# Allegro board DPU_PoE_A1_SizeReduce.brd (continued)
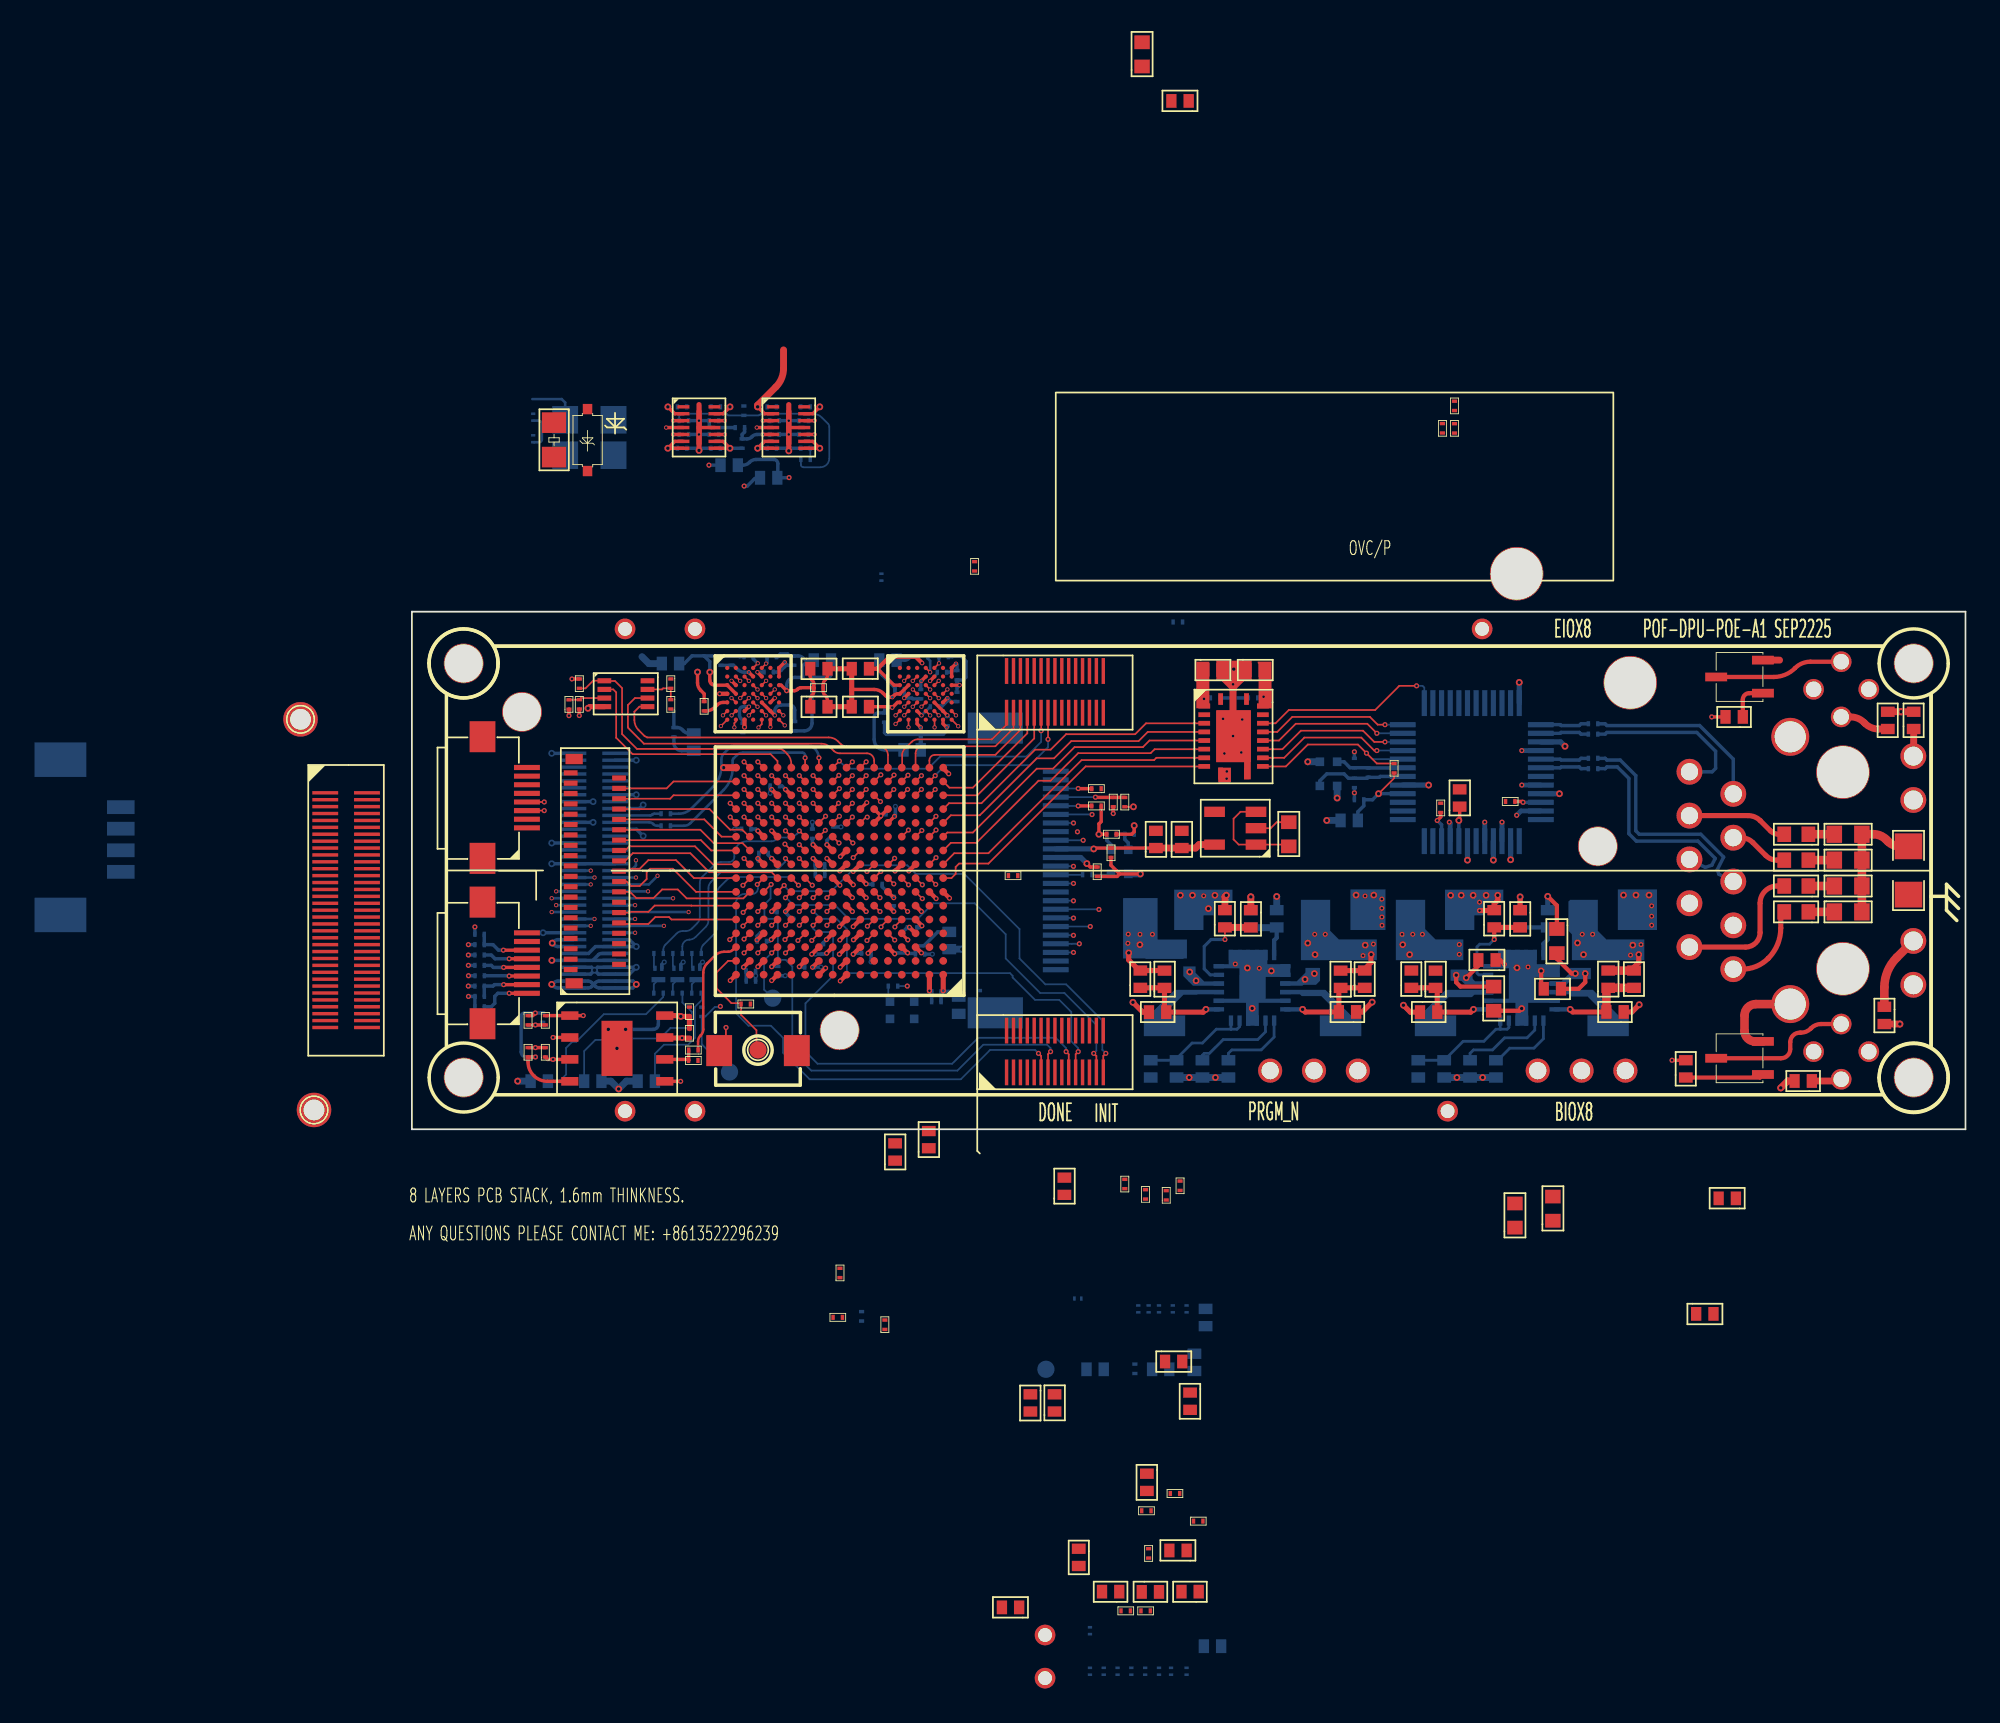
[diagram p0: board, top side]
## Routing (per net, layer and track width the routed paths; a pad name or vN(x,y) marks a point on that pad's centre or on a via; arc(x,y) is an arc through that point) (continued)
  BOTTOM w0.15: v2(12.98,15.59) 12.98,15.29 12.68,14.99 J7.36
IR_PWR_EN: length 1
  TOP w0.2: U5.5 v2(15.13,40.27)
  BOTTOM w0.2: R73.2 v2(15.13,40.27)
IR_UART_RX: length 11
  TOP w0.102: v1(22.78,21.53) U7.T11
  BOTTOM w0.15: 22.78,21.49 v1(22.78,21.53) 22.78,21.67 arc(22.73,21.78) 22.62,21.83 19.18,21.83 arc(18.99,21.79) 18.82,21.68 18.62,21.48 arc(18.59,21.44) 18.58,21.38 18.58,20.93 arc(18.44,20.25) 18.06,19.67 16.13,17.74 arc(15.96,17.63) 15.77,17.59 R69.1
IR_UART_TX: length 11.9
  TOP w0.102: v1(23.58,21.53) U7.T10
  BOTTOM w0.15: R68.1 15.47,18.29 arc(15.86,18.37) 16.19,18.59 17.44,19.84 arc(17.8,20.38) 17.93,21.02 17.93,21.43 arc(17.97,21.62) 18.08,21.79 18.38,22.09 arc(18.6,22.24) 18.86,22.29 22.78,22.29 arc(23.35,22.06) 23.58,21.49
IR_VSYNC: length 15.1
  TOP w0.102: U7.N16 v1(18.44,18.9)
  SIG-3 w0.102: v1(18.44,18.9) 15.43,18.9 arc(15.29,18.92) 15.16,19.01 14.83,19.34 arc(14.72,19.51) 14.68,19.7 14.68,19.99 arc(14.61,20.17) 14.43,20.24 11.65,20.24 arc(11.53,20.19) 11.48,20.07 11.48,18.3 arc(11.44,18.11) 11.33,17.94 11.28,17.89 arc(11.17,17.72) 11.13,17.53 11.13,15.49 arc(10.98,15.14) 10.63,14.99 v2(10.36,14.99)
  BOTTOM w0.15: J7.35 v2(10.36,14.99)
JTAG_EN: length 32.5
  TOP w0.102: U7.D10 v1(23.16,10.94)
  TOP w0.2: J5.6 v1(5.3,10.38)
  SIG-3 w0.102: v1(23.16,10.94) 23.16,8.36 21.6,6.8
  SIG-6 w0.102: v1(23.16,10.94) 23.16,10.94 22.8,11.3 22.8,14.3 21.9,15.2 12.4,15.2 11,13.8 10.2,13.8 8.9,12.5 8.9,11.5 8.7,11.3 7.1,11.3 6.18,10.38 v1(5.3,10.38)
  BOTTOM w0.2: R90.2 R89.2 4.7,10.7 5.02,10.38 v1(5.3,10.38)
LD_3V3: length 1.1
  TOP w0.2: v3(23.63,41.87) 23.23,41.47 U6.13
LD_3V3_EN: length 1
  TOP w0.2: U6.3 v2(20.33,41.07)
  BOTTOM w0.2: R70.2 v2(20.33,41.07)
MCLK: length 7.2
  TOP w0.15: R54.1 16.58,5.09 arc(16.62,5.27) 16.72,5.43 16.74,5.45 arc(16.84,5.61) 16.88,5.79 16.88,9.08 arc(16.94,9.37) 17.1,9.61 17.56,10.07 arc(17.8,10.23) 18.09,10.29 18.33,10.29 arc(18.47,10.32) 18.58,10.39 18.71,10.52 18.78,10.52
MCSN: length 14.3
  TOP w0.102: v1(19.24,10.22) U7.C15
  TOP w0.2: v1(9.93,6.59) U9.1 R51.1
  SIG-6 w0.102: v1(9.93,6.59) 10.11,6.77 arc(10.14,6.79) 10.18,6.8 13.18,6.8 arc(13.56,6.88) 13.88,7.09 15.93,9.14 arc(16.04,9.31) 16.08,9.5 16.08,10.19 arc(16.2,10.47) 16.48,10.59 18.87,10.59 v1(19.24,10.22)
MD0: length 12.1
  TOP w0.102: v1(20.04,10.22) U7.C14
  TOP w0.2: U9.5 v1(15.57,2.78)
  SIG-6 w0.102: v1(15.57,2.78) 16.04,2.78 arc(16.08,2.79) 16.11,2.81 17.15,3.85 arc(17.17,3.88) 17.18,3.92 17.18,7.89 arc(17.39,8.39) 17.89,8.6 19.6,8.6 20.04,9.04 v1(20.04,10.22)
MD1: length 15
  TOP w0.102: v1(18.41,10.99) U7.D16
  TOP w0.2: U9.2 v1(8.18,5.32)
  SIG-6 w0.102: v1(8.18,5.32) 8.12,5.38 8.12,5.52 9.8,7.2 12.91,7.2 arc(13.35,7.29) 13.73,7.54 14.18,7.99 arc(14.29,8.16) 14.33,8.35 14.33,8.67 arc(14.34,8.71) 14.36,8.74 14.95,9.33 arc(15.11,9.56) 15.16,9.84 15.16,10.48 arc(15.17,10.52) 15.19,10.55 15.45,10.81 arc(15.61,10.92) 15.81,10.95 18.38,10.95 v1(18.41,10.99)
MD2: length 19.1
  TOP w0.102: v1(19.24,11.02) U7.D15
  TOP w0.2: R55.1 7.87,4.05 v1(8.18,4.05) U9.3
  SIG-6 w0.102: v1(19.24,11.02) 18.67,11.59 18,11.59 17.71,11.3 15.3,11.3 13.73,9.73 13.73,8.25 arc(13.54,7.79) 13.08,7.6 9.4,7.6 7.72,5.92 7.72,4.72 arc(7.76,4.53) 7.87,4.36 v1(8.18,4.05)
MD3: length 12.7
  TOP w0.102: v1(21.61,10.99) U7.D12
  TOP w0.3: U9.7 14.68,5.29 v1(15.65,5.29) R52.1
  SIG-6 w0.102: v1(15.65,5.29) 15.03,5.91 arc(14.92,6.08) 14.88,6.27 14.88,6.88 arc(14.92,7.07) 15.03,7.24 17.43,9.64 arc(17.6,9.75) 17.79,9.79 19.48,9.79 arc(19.59,9.83) 19.63,9.94 19.63,10.39 arc(19.69,10.54) 19.84,10.6 21.22,10.6 v1(21.61,10.99)
Net_91: length 0.5
  TOP w0.102: v1(30.36,17.34) 29.98,16.96
PROGRAM_N: length 34.5
  TOP w0.102: SW1.2 17.8,5.01 18.19,5.41 18.19,5.89 v1(18.2,5.9) ; U7.C12 v1(21.64,10.22)
  TOP w0.2: J5.2 v1(5.32,8.38)
  SIG-6 w0.102: v1(18.2,5.9) 18.7,6.4 18.7,7.1 19.6,8 21.1,8 21.15,8.05 21.15,8.65 21.64,9.14 v1(21.64,10.22) 21.64,10.24 22,10.6 22,11.3 21.9,11.4 20.6,11.4 20.4,11.6 20.4,12.1 20.3,12.2 19.8,12.2 19.6,12.4 19.6,12.9 19.4,13.1 17.5,13.1 16.5,12.1 15.7,12.1 15.5,12.3 14.1,12.3 13.6,11.8 12.3,11.8 11.9,11.4 11.9,9.7 10.8,8.6 9.31,8.6 8.61,7.9 6.8,7.9 6.32,8.38 v1(5.32,8.38)
  BOTTOM w0.2: v1(5.32,8.38) 4.78,8.38 4.7,8.3 C58.2 4.19,7.71 R50.1
PWR_EN1: length 1.1
  BOTTOM w0.2: R92.1 20.02,37.76 arc(19.92,37.74) 19.83,37.68 19.43,37.28 v1(19.25,37.28)
PWR_EN2: length 0.7
  BOTTOM w0.2: R91.1 v1(17.21,38.49)
RN: length 13.6
  BOTTOM w0.2: U13.6 75.71,14.78 75.62,15.05 75.99,15.78 74.67,17.1 71.1,17.1 70.9,17.3 70.9,20.5 70,21.4 69.23,21.4 69.13,21.5 R25.1
RP: length 12.8
  BOTTOM w0.2: R27.1 69.13,20.9 69.23,21 69.83,21 70.5,20.33 70.5,17.13 70.93,16.7 74.5,16.7 75.5,15.7 75.31,15.31 74.92,15.18 U13.5
SPI_CS: length 16.4
  TOP w0.102: 21.98,20.92 U7.T12 21.98,21.18 arc(21.92,21.49) 21.74,21.75 21.58,21.92 arc(21.44,22.01) 21.27,22.05 13.04,22.05 12.18,22.91 12.18,25.57 11.77,25.98 11.16,25.98 U4.1 11.14,26 10.5,26 10.06,25.56 R11.2
SPI_SCK: length 18.1
  TOP w0.102: 26.78,20.92 U7.T6 26.78,21.37 arc(26.66,21.67) 26.36,21.79 24.79,21.79 arc(24.6,21.83) 24.43,21.94 24.23,22.14 arc(24,22.29) 23.73,22.35 13.44,22.35 12.54,23.25 arc(12.52,23.28) 12.52,23.32 12.52,24.59 12.92,24.99 U4.6
SPI_SI: length 17.8
  TOP w0.102: 27.58,20.92 U7.T5 27.58,21.68 arc(27.43,22.04) 27.07,22.19 25.19,22.19 arc(25,22.23) 24.83,22.34 24.68,22.49 arc(24.44,22.65) 24.15,22.71 13.63,22.71 13.48,22.79 13.13,23.14 arc(12.95,23.41) 12.89,23.72 12.89,24.2 13.18,24.49 U4.5
SPI_SO: length 13.7
  TOP w0.102: U7.T13 21.18,21.34 20.78,21.74 12.78,21.74 11.83,22.69 11.83,25.33 11.67,25.49 U4.2
SYNC-1: length 5.9
  TOP w0.102: v1(47.1,11) R58.1
  TOP w0.4: R57.2 R58.1
  BOTTOM w0.18: v1(47.1,11) 46.3,11 45.9,10.6 45.9,9.3 46.25,8.95 U14.11
SYNC-2: length 5.6
  TOP w0.25: v1(62.7,11) R19.1
  TOP w0.3: R19.1 R18.2
  BOTTOM w0.16: U11.11 61.8,8.95 61.7,9.05 61.7,10.57 61.86,10.73 62.43,10.73 v1(62.7,11)
SYS_CLK: length 4.1
  TOP w0.18: U7.D4 28.38,11.33 v1(28.73,10.98)
  SIG-3 w0.102: v1(28.73,10.98) 29.1,10.61 29.1,10.41 29.12,10.39 29.12,8.72 v1(28.7,8.3)
  BOTTOM w0.102: R38.2 v1(28.7,8.3)
TCK: length 20.8
  TOP w0.102: U7.F14 v1(20.04,12.62)
  TOP w0.2: J5.3 v1(5.64,8.88)
  SIG-6 w0.102: v1(20.04,12.62) 20.04,13.16 19.8,13.4 16,13.4 15.4,12.8 13.8,12.8 13.6,12.6 12.3,12.6 11.5,11.8 11.5,10.2 10.4,9.1 9.53,9.1 9.53,9.1 9.32,9.1 9.31,9.1 8.9,9.1 8.7,8.9 5.65,8.9 v1(5.64,8.88)
  BOTTOM w0.2: v1(5.64,8.88) 5.62,8.9 R86.1
TDI: length 24.5
  TOP w0.102: U7.F11 v1(22.44,12.62)
  TOP w0.2: J5.5 v1(5.64,9.88)
  SIG-6 w0.102: v1(5.64,9.88) 7.28,9.88 7.74,10.34 9.14,10.34 9.4,10.6 9.4,12.2 10.5,13.3 11.2,13.3 12,14.1 13.1,14.1 13.27,14.27 15.03,14.27 15.56,14.8 21.56,14.8 22,14.36 22,13 22.38,12.62 v1(22.44,12.62)
  BOTTOM w0.2: R88.2 4.6,10.1 4.82,9.88 v1(5.64,9.88)
TDO: length 20.8
  TOP w0.102: U7.E14 v1(20.04,11.82)
  TOP w0.2: J5.1 v1(5.64,7.88)
  SIG-6 w0.102: v1(5.64,7.88) 6.02,7.88 6.4,7.5 8.8,7.5 9.5,8.2 11.2,8.2 12.4,9.4 12.4,10.5 12.9,11 14.4,11 15.1,11.7 17.37,11.7 17.8,12.13 19.37,12.13 19.68,11.82 v1(20.04,11.82)
  BOTTOM w0.2: R85.2 4.6,7.1 4.8,7.3 4.8,7.7 4.98,7.88 v1(5.64,7.88)
TMS: length 24.3
  TOP w0.102: U7.E11 v1(22.44,11.82)
  TOP w0.2: J5.4 v1(5.32,9.38)
  SIG-6 w0.102: v1(22.44,11.82) 22.38,11.82 20.5,13.7 16.9,13.7 16.4,14.2 15.8,14.2 15.4,13.8 14.5,13.8 14,13.3 13.4,13.3 13.3,13.4 12.4,13.4 11.1,12.1 11.1,10.5 10.2,9.6 8.7,9.6 8.3,9.2 7.1,9.2 6.9,9.4 5.33,9.4 v1(5.32,9.38)
  BOTTOM w0.2: R87.2 4.6,9.5 4.72,9.38 v1(5.32,9.38)
TN: length 10.7
  BOTTOM w0.2: U13.2 76.55,21.45 74.6,23.4 69.23,23.4 69.13,23.5 R20.1
TP: length 9.9
  BOTTOM w0.2: U13.1 75.33,20.72 75.53,20.92 75.53,21.91 74.43,23 69.23,23 69.13,22.9 R22.1
TP_P2: length 0.5
  TOP w0.102: v1(30.32,19.7) U7.P2
UPLD_TXD1: length 0.8
  TOP w0.2: R5.2 v1(75.3,23.9)
UPLD_TXD2: length 1.3
  TOP w0.102: v1(28.77,17.34) U7.L4
  TOP w0.2: R59.2 v1(73,4)
N760129: length 4
  TOP w0.2: v1(39.6,19.25) 39.62,19.23 C26.2 FB1.2
  BOTTOM w0.102: J6.4 v1(39.6,19.25)
N762812: length 1.5
  BOTTOM w0.2: Y3.1 41.5,16.6 41.3,16.8 R32.1 R28.1
N763219: length 1.1
  BOTTOM w0.102: Y3.3 40.45,14.76 R30.1
N900708: length 2
  TOP w0.2: R54.2 16.04,4 R56.1 15.97,4.05 U9.6
N990230: length 0.9
  BOTTOM w0.102: Y4.3 27.6,7.5 R38.1
N1026841: length 2.1
  TOP w0.102: U4.3 9.79,24.99 R13.1 9.69,24.89 R12.2
N1026851: length 2
  TOP w0.102: R15.1 R14.2 14.56,25.56 14.49,25.49 U4.7
N1593173: length 9.8
  BOTTOM w0.102: D18.1 7.93,2.84 8.6,2.84 8.93,3.17 8.93,4.71 9.29,5.07 9.52,5.07 11.12,6.67 13.56,6.67 14.56,7.67 R83.2
N1593177: length 10.7
  BOTTOM w0.102: R82.2 15.67,7.88 15.67,7.35 16.21,6.81 16.21,6.07 16.01,5.87 14.98,5.87 14.37,5.26 11.84,5.26 11.76,5.18 10.63,5.18 9.98,4.53 D19.1
N1593181: length 7.1
  BOTTOM w0.102: D17.1 14.08,4.38 14.6,4.9 16,4.9 16.4,5.3 16.4,7.1 16.8,7.5 16.8,7.85 R81.2
N1593233: length 0.9
  BOTTOM w0.102: Q5.3 14.02,8.41 R83.1
N1593237: length 0.9
  BOTTOM w0.102: R82.1 15.12,8.41 Q4.3
N1593241: length 0.9
  BOTTOM w0.102: Q3.3 16.21,8.41 R81.1
N1593321: length 0.9
  BOTTOM w0.102: R80.2 14.02,9.39 Q5.1
N1593325: length 0.9
  BOTTOM w0.102: R79.2 15.12,9.49 15.18,9.43 Q4.1
N1593329: length 0.9
  BOTTOM w0.102: Q3.1 16.22,9.39 R78.2
N1609517: length 3.2
  BOTTOM w0.25: C143.2 50.1,11.1 49.95,10.95 U14.18
  BOTTOM w0.4: C143.2 50.09,11.68 R84.1
N1613601: length 6
  TOP w0.3: v3(46,6.95) 45.84,6.79 R41.2 43.6,6.89 C53.1 43.59,8.2 R47.1
  BOTTOM w0.25: U14.7 v3(46,6.95)
N1616768: length 6
  TOP w0.3: v3(51.6,6.95) 51.75,6.8 R40.2 53.7,8.09 C52.1 53.8,8.2 R46.1
  BOTTOM w0.25: U14.24 v3(51.6,6.95)
N1627713: length 5.2
  BOTTOM w0.16: U14.2 49.45,5.65 49,5.2 47,5.2 46.2,4.4 45.9,4.4 45.8,4.3 R77.1
N1630418: length 4.4
  BOTTOM w0.16: U14.1 49.95,5.35 49.2,4.6 47.5,4.6 47.3,4.4 R76.1
N2071767: length 5.3
  BOTTOM w0.16: R66.1 61.3,4.4 61.5,4.6 62.6,4.6 63.3,5.3 64.6,5.3 65.05,5.75 U11.2
N2071821: length 5.9
  TOP w0.3: v3(61.5,6.95) 61.34,6.79 R4.2 59.4,8.09 C16.1 59.3,8.2 R9.1
  BOTTOM w0.25: U11.7 v3(61.5,6.95)
N2072037: length 3.3
  BOTTOM w0.25: R67.1 C95.2 65.8,11 65.55,10.75 U11.18
N2072181: length 4.3
  BOTTOM w0.16: U11.1 65.55,5.25 65,4.7 63.6,4.7 62.9,4 R65.1
N2072229: length 6
  TOP w0.3: R3.2 67.25,6.8 v3(67.1,6.95)
  TOP w0.5: R8.1 C15.1 69.2,8.1 R3.2
  BOTTOM w0.25: U11.24 v3(67.1,6.95)
N2822398: length 2.7
  BOTTOM w0.15: R69.2 14.21,17.59 arc(14.09,17.61) 13.99,17.68 13.97,17.7 arc(13.87,17.77) 13.75,17.79 J7.50
N2822416: length 2.7
  BOTTOM w0.15: R68.2 14.04,18.29 arc(13.98,18.28) 13.94,18.25 13.92,18.23 arc(13.88,18.2) 13.82,18.19 J7.52
N2837557: length 1
  TOP w0.2: U5.12 v2(18.13,41.07)
  BOTTOM w0.2: C110.2 v2(18.13,41.07)
N2837561: length 1
  TOP w0.2: U5.10 v2(18.13,40.27)
  BOTTOM w0.2: C115.2 v2(18.13,40.27)
N2851475: length 1
  TOP w0.2: U6.12 v2(23.33,41.07)
  BOTTOM w0.2: C109.2 v2(23.33,41.07)
N2851539: length 1
  TOP w0.2: U6.10 v2(23.33,40.27)
  BOTTOM w0.2: C114.2 v2(23.33,40.27)
N2902183: length 2.8
  BOTTOM w0.2: R20.2 67.73,23.5 67.63,23.4 66.58,23.4 66.53,23.45 U12.1
N2902195: length 2.8
  BOTTOM w0.2: R22.2 67.73,22.9 67.63,23 66.58,23 66.53,22.95 U12.2
N2902207: length 2.8
  BOTTOM w0.2: U12.5 66.53,21.45 66.58,21.4 67.63,21.4 67.73,21.5 R25.2
N2902219: length 2.8
  BOTTOM w0.2: U12.6 66.53,20.95 66.58,21 67.63,21 67.73,20.9 R27.2
N2910858: length 1.5
  TOP w0.2: v1(64.37,18.95) 64.32,19 R33.1
  BOTTOM w0.2: U12.10 v1(64.37,18.95)
N2920519: length 2
  TOP w0.2: C44.1 60.7,17.95 v3(60.65,17.9)
  BOTTOM w0.2: v3(60.65,17.9) U12.20
N2922742: length 1.8
  TOP w0.2: C43.2 59.6,18.1 v1(59.4,17.9)
  BOTTOM w0.2: v1(59.4,17.9) 59.65,17.65 U12.22
N2933507: length 3.9
  BOTTOM w0.2: Y2.3 54,21.3 54.34,20.96 C32.2 55.39,20.96 R29.2 57.39,20.94 U12.31
N2934366: length 5.4
  BOTTOM w0.2: U12.30 56.1,20.45 56.05,20.4 R29.1 55.34,20.34 C38.2 54.26,20.34 54,20.6 53,20.6 52.6,20.2 Y2.1
N2966266: length 4.4
  TOP w0.5: U13.13 86.02,9.95 arc(85.49,9.16) 85.3,8.22 R49.1
N2966270: length 1.6
  TOP w0.4: R7.1 87,21.64 U13.11
N2975066: length 5.9
  TOP w0.3: U13.3 77.41,18.18 arc(77.79,18.1) 78.11,17.89 78.7,17.3 arc(78.92,17.15) 79.18,17.1 C28.2
N2979599: length 3.4
  TOP w0.3: U13.4 77,16.9 arc(77.37,16.83) 77.69,16.61 78.43,15.87 arc(78.73,15.67) 79.08,15.6 C33.2
N2979611: length 8.2
  TOP w0.3: C39.2 79.1,14.1 arc(78.39,13.81) 78.1,13.1 78.1,11.4 arc(77.85,10.81) 77.26,10.56 U13.9
N2981115: length 5.2
  TOP w0.3: U13.10 77.07,9.28 arc(77.88,9.44) 78.57,9.91 arc(79.11,10.71) 79.3,11.66 79.3,12.3 arc(79.32,12.39) 79.37,12.47 C42.2
N2982594: length 7.4
  TOP w0.5: C35.2 86.2,16.4 arc(85.83,16.47) 85.52,16.68 85.41,16.79 arc(85.07,17.02) 84.66,17.1 R23.2 R26.2 R31.2 R34.2
N3194519: length 7.5
  TOP w0.25: Q1.3 78.9,26.21 arc(79.56,26.35) 80.12,26.72 80.13,26.73 arc(80.54,27) 81.02,27.1 LD1.2
N3194698: length 2.9
  TOP w0.4: LD1.1 83.34,23.9 arc(83.77,23.82) 84.12,23.58 84.18,23.52 arc(84.53,23.28) 84.95,23.2 R6.1
N3194743: length 2.4
  TOP w0.25: Q1.1 77.48,25.28 arc(77.21,25.17) 77.1,24.9 R5.1
N3194934: length 1.7
  TOP w0.4: R60.1 82.7,2.8 LD2.1
N3195021: length 8.4
  TOP w0.25: Q2.3 79.31,4.11 arc(79.69,4.27) 79.85,4.65 79.85,5.05 arc(80.01,5.44) 80.4,5.6 80.47,5.6 arc(80.78,5.66) 81.03,5.83 81.07,5.87 arc(81.32,6.04) 81.63,6.1 LD2.2
N3195213: length 4.5
  TOP w0.25: Q2.1 78.09,3 R59.1
N29811470: length 1.5
  TOP w0.5: C28.1 R23.1
N29812170: length 1.5
  TOP w0.5: C33.1 R26.1
N29812430: length 1.5
  TOP w0.5: C39.1 R31.1
N29812690: length 1.5
  TOP w0.5: C42.1 R34.1

## Copper pours and planes (outline as drawn; the poured copper is in the pictures)
GND on TOP (solid shape): 48.65,25.99 48.23,25.99 47.77,25.53 47.77,24.28 48.6,24.28 48.6,20.28 48.21,20.28 48.21,21.28 46.6,21.28 46.6,24.28 47.36,24.28 47.36,25.53 46.9,25.99 46.6,25.99 46.6,27.16 48.65,27.16
GND on BOTTOM (solid shape): 56.4,11.55 54.37,11.55 54.37,13.9 56.4,13.9
GND on BOTTOM (solid shape): 72.13,11.55 69.86,11.55 69.86,13.9 72.13,13.9
GND on BOTTOM (solid shape): 47.54,13.13 46.47,13.13 46.47,12.4 45.86,12.4 45.86,11.55 44.16,11.55 44.16,13.89 47.54,13.89
GND on BOTTOM (solid shape): 63.23,13.13 62.16,13.13 62.16,12.4 61.55,12.4 61.55,11.55 59.85,11.55 59.85,13.89 63.23,13.89
GND on BOTTOM (solid shape): 49.56,9.57 50.89,9.57 50.89,8.83 49.44,8.83 49.44,7.57 50.89,7.57 50.89,7.33 49.06,7.33 49.06,6 48.32,6 48.32,7.33 46.44,7.33 46.44,7.57 47.94,7.57 47.94,9.33 46.44,9.33 46.44,9.57 47.32,9.57 47.32,10.4 49.56,10.4
GND on BOTTOM (solid shape): 65.17,9.57 66.5,9.57 66.5,8.83 65.05,8.83 65.05,7.57 66.5,7.57 66.5,7.33 64.67,7.33 64.67,6 63.93,6 63.93,7.33 62.05,7.33 62.05,7.57 63.55,7.57 63.55,9.33 62.05,9.33 62.05,9.57 62.93,9.57 62.93,10.4 65.17,10.4
P1V0 on BOTTOM (solid shape): 43.2,11 44.9,11 44.9,9.9 41.2,9.9 41.2,13.4 43.2,13.4
P1V8 on TOP (solid shape): 46.2,24.67 46.24,24.67 46.24,24.4 45.44,24.4 45.44,27.1 46.2,27.1
P1V8 on BOTTOM (solid shape): 53.2,11.5 53.7,11 55.9,11 55.9,9.8 51.5,9.8 51.5,13.3 53.2,13.3
P2V8 on BOTTOM (solid shape): 58.7,11.6 59.3,11 60.91,11 60.91,9.8 57,9.8 57,13.3 58.7,13.3
P3V3 on TOP (solid shape): 49.8,24.39 48.96,24.39 48.96,24.67 49.05,24.67 49.05,26.97 49,27.02 49,27.1 49.8,27.1
P3V3 on BOTTOM (solid shape): 68.7,11.5 69.2,11 71.4,11 71.4,9.8 67.2,9.8 67.2,11.3 67,11.5 67,13.2 67.1,13.3 68.7,13.3
P5V0 on BOTTOM (solid shape): 45.4,9.07 45.9,8.57 47.05,8.57 47.05,8.32 45.24,8.32 44.69,8.87 44.69,9.44 45.4,9.44
P5V0 on BOTTOM (solid shape): 68.3,8.7 67.2,8.7 66.82,8.32 65.9,8.32 65.9,8.58 66.6,8.58 67.05,9.03 67.05,9.35 68.3,9.35
P5V0 on BOTTOM (solid shape): 61.45,8.91 61.45,8.72 61.59,8.58 62.65,8.58 62.65,8.32 61.08,8.32 60.8,8.6 60.17,8.6 60.17,9.26 61.1,9.26
P5V0 on BOTTOM (solid shape): 52.61,9.34 52.61,8.61 52.37,8.37 51.64,8.37 51.59,8.32 50.3,8.32 50.3,8.58 51.26,8.58 51.76,9.08 51.76,9.35 52.6,9.35
N1599549 on BOTTOM (solid shape): 47.05,7.82 45.51,7.82 45.51,7.8 44.7,7.8 43.9,7 43.9,6.6 44.8,6.6 44.8,5.4 42.4,5.4 42.4,6.6 42.7,6.6 44.18,8.08 47.05,8.08
N1616720 on BOTTOM (solid shape): 54.4,6.6 55,6.6 55,5.4 52.6,5.4 52.6,6.6 53.2,6.6 53.2,7.2 52.68,7.72 51.55,7.72 51.45,7.82 50.3,7.82 50.3,8.08 52.92,8.08
N2071731 on BOTTOM (solid shape): 62.65,7.8 61.55,7.8 61.41,7.66 60.06,7.66 59.6,7.2 59.6,6.6 60.5,6.6 60.5,5.4 58.1,5.4 58.1,6.6 58.4,6.6 59.88,8.08 62.65,8.08
N2072149 on BOTTOM (solid shape): 69.9,6.6 70.5,6.6 70.5,5.4 68.1,5.4 68.1,6.6 69,6.6 69,6.8 68.11,7.7 67.16,7.7 67.03,7.82 65.9,7.82 65.9,8.08 68.42,8.08

Small or netless copper shapes (teardrops, artwork), in the pictures only: 1 on TOP

## Text on the board
Ref Des/Silkscreen Bottom: GND | P5V0_IN | INFIRAY L640X512 | 70 | 69 | 1 | 2 | 24 | OV5640 | M1.6X3 | P1V8 | P3V3 | P2V8 | P1V0 | PCB SIZE:90MMX30MM | POF-DPU-POE-COMPATIBLE SEP2225 | POF-DPU-POE-A1 SEP2225 | GOD BLESS | NO BUGS PERMANENTLY | 10/100BASET POE CONFIG
Ref Des/Silkscreen Top: 8 LAYERS PCB STACK, 1.6mm THINKNESS. | ANY QUESTIONS PLEASE CONTACT ME: +8613522296239 | OVC/P | DONE | INIT | PRGM_N | EIOX8 | BIOX8 | POF-DPU-POE-A1 SEP2225
XSECTION_CHART: ___________________________ | *  DIELECTRIC | L2 GND-2 CONDUCTOR | L3 SIG-3 CONDUCTOR | L4 VCC-4 CONDUCTOR | L5 GND-5 CONDUCTOR | L6 SIG-6 CONDUCTOR | L7 GND-7 CONDUCTOR | L8 BOTTOM CONDUCTOR | *  SURFACE | L1 TOP CONDUCTOR | TOTAL THICKNESS 1.66624 MM | DESIGN CROSS SECTION CHART | 1-8
DIMENSION: FIGURE | FINISHED_SIZE | 0.15 | 0.2 | 0.8 | 0.9 | 1.0 | 1.1 | 1.2 | 1.8 | 2.2 | 3.0 | DRILL CHART: TOP to BOTTOM | ALL UNITS ARE IN MILLIMETERS | PLATED | NON-PLATED | QTY | 104 | 301 | 193 | 8 | 10 | 4 | 2 | 6
